# Altium PCB ComplexCurcuit.PcbDoc (part 1 of 2) (continued)
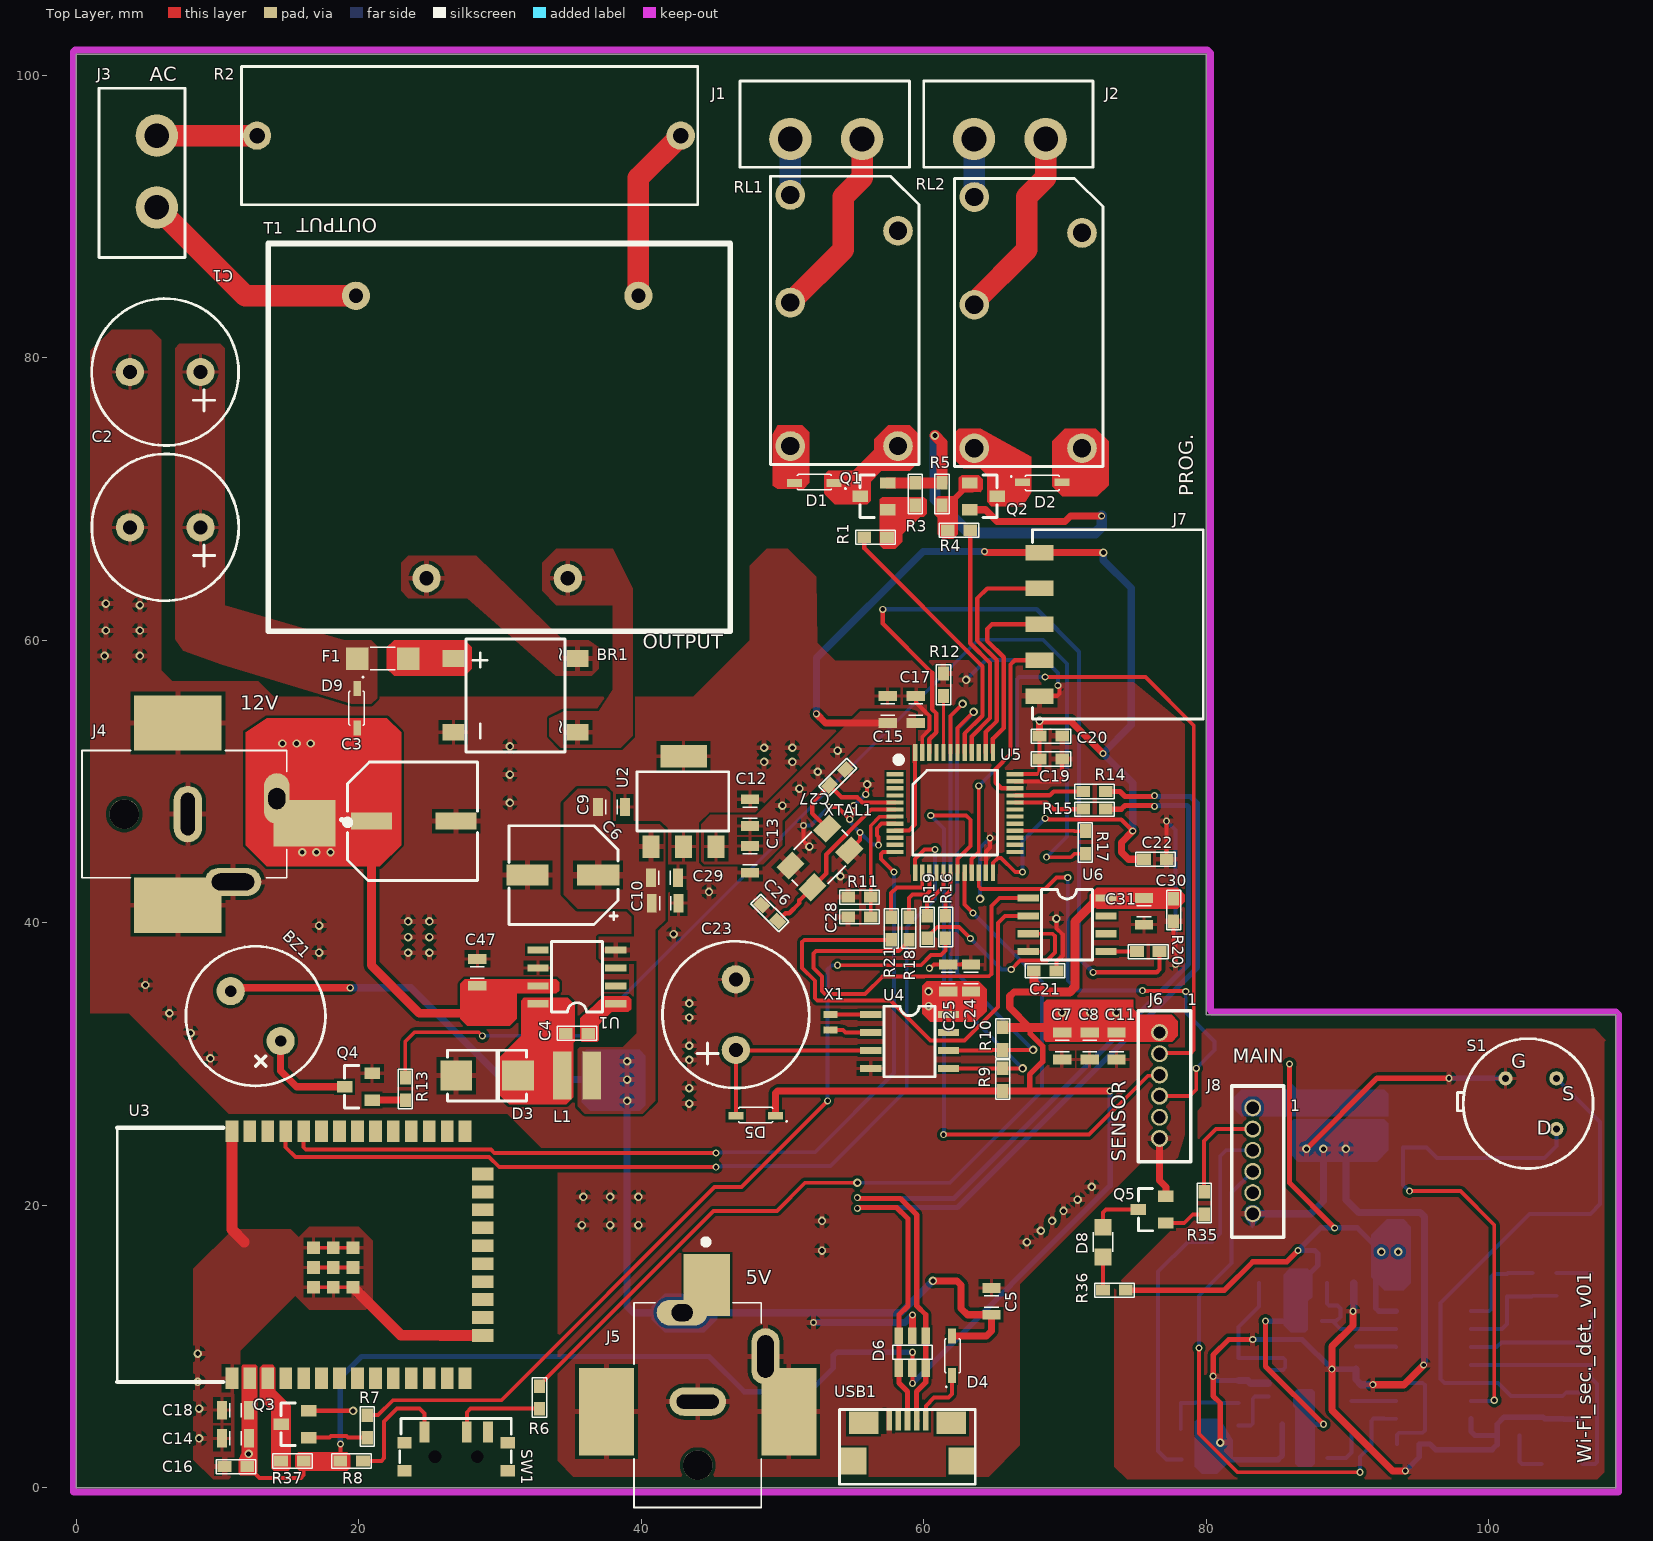
[diagram p0: Top Layer view]
## Part data (continued)
RL1 RL2: "RELAY GEN PURPOSE SPDT 10A 12V", Coil Current="33.3 mA", Manufacturer=Panasonic, Operating Temperature="-40°C ~ 85°C", Supplier Part Number=255-3562-ND, Supplier Part Number 1=769-ALQ112, Voltage Rating(AC)=250V, Case Package=ALQ112, Category="Power Relays", ComponentLink1Description=https://datasheet.ciiva.com/24388/307ds-61b20-en-lq-24388909.pdf?src-supplier=Onlinecomponents.com, ComponentLink1URL=https://datasheet.ciiva.com/24388/307ds-61b20-en-lq-24388909.pdf?src-supplier=Onlinecomponents.com, Depth=10mm, Designed By="Görkem Bulut", Height=16mm, Length=20mm, Manufacturer Part Number=ALQ112, Number of Pins=5, Pricing="1=1,31, 10=1,228, 25=1,092, 50=1,0372, 100=0,9826, 250=0,87344, 500=0,81884, 1000=0,76426, 5000=0,73696 (USD)", RoHS=Yes, Series=ALQ, Stock=1548, Supplier=Digi-Key, Supplier 1=Mouser, Width=10mm
RT1: "Thermistor PTC 10K Ohm 1% 2-Pin 1206 Surface Mount Solder Pad T/R Automotive", Case Code (Imperial)=1206, Manufacturer="Vishay Dale", Max Operating Temperature=125°C, Max Power Dissipation=125mW, Min Operating Temperature=-55°C, Package Quantity=5000, Resistance Tolerance=1%, Supplier Part Number=541-3533-1-ND, Voltage=40V, Case/Package=1206, Category=Thermistors, ComponentLink1Description=https://datasheet.ciiva.com/2852/tfpt-2852076.pdf?src-supplier=Digi-Key, ComponentLink1URL=https://datasheet.ciiva.com/2852/tfpt-2852076.pdf?src-supplier=Digi-Key, Designed By="Görkem BULUT", Height=0.55mm, Lead Free="Lead Free", Length=3.2mm, Manufacturer Part Number=TFPT1206L1002FM, Mounting Technology="Surface Mount", Packaging="Tape and Reel", Power Rating=125mW, Pricing="1=1,3, 10=0,973, 25=0,778, 100=0,7133, 500=0,59978, 1000=0,53495 (USD)", RoHS=Yes, RoHS Compliant=Yes, Series=TFPT, Stock=2429, Supplier=Digi-Key, Termination=SMD/SMT, Tolerance=1%, Width=1.6mm
S1: "SENSOR PYRO DETECTOR DUAL MOTION", Case Package=LHI, Manufacturer="Excelitas Technologies", Max Supply Voltage=12, Min Supply Voltage=3V3, Supplier Part Number=1601-LHI878/3902-ND, Designed By="Görkem Bulut", Manufacturer Part Number="LHI 878/3902", RoHS=No, Supplier=Digikey, Type="Pyro Sensor"
SW1: "Slide Switch, SPDT, 0.025A, 24V, SMD", Manufacturer=E-Switch, Max Operating Temperature=70°C, Min Operating Temperature=-20°C, Operating Force=150gf, Supplier Part Number=EG5720CT-ND, Voltage Rating (DC)=24V, Actuator Length=1.4mm, Actuator Type=Standard, ComponentLink1Description=https://media.digikey.com/pdf/Data%20Sheets/E-Switch%20PDFs/EG1215_Series_Ds.pdf?src-supplier=Digi-Key, ComponentLink1URL=https://media.digikey.com/pdf/Data%20Sheets/E-Switch%20PDFs/EG1215_Series_Ds.pdf?src-supplier=Digi-Key, ComponentLink2Description=http://www.farnell.com/datasheets/2645007.pdf?src-supplier=Farnell, ComponentLink2URL=http://www.farnell.com/datasheets/2645007.pdf?src-supplier=Farnell, Designed By="Görkem Bulut", Electrical Life=10000Cycles, Manufacturer Part Number=EG1215AA, Mechanical Life=10000Cycles, Mounting Technology="Surface Mount", Packaging="Cut Tape", Pricing="1=0,99, 10=0,951, 25=0,8884, 100=0,7715, 250=0,702, 500=0,6508, 1000=0,60327 (USD)", RoHS=Yes, RoHS Compliant=Yes, Series=EG, Stock=8129, Supplier=Digi-Key, Switch Function=On-On, Switch Travel=1.5mm, Termination="Gull Wing", Throw Configuration=SPDT
T1: "Sealed Transformer EI30/10.5", Manufacturer="Zettler Magnetics", Operating Frequency=50-60Hz, Primary Voltage=230V, Rated Power=1VA, Secondary Voltage=12V, Supplier Part Number=3388-BV302S12010-ND, Category=Uncategorized, Designed By="Görkem Bulut", Manufacturer Part Number=BV302S12010, Pricing="1=3,22, 10=2,611, 25=2,1108, 50=1,9776, 100=1,8887, 250=1,83316, 500=1,7776, 1000=1,72205, 5000=1,58318 (USD)", RoHS=No, RoHS Compliant=No, Supplier=Digi-Key
U1: "Buck Switching Regulator IC Positive Fixed 12V 1 Output 1A 8-SOIC (0.154\", 3.90mm Width)", Case Package=8-SOIC, Manufacturer="TI National Semiconductor", Supplier Part Number=296-35410-6-ND, Category="Voltage Regulators - Switching", ComponentLink1Description=https://datasheet.ciiva.com/41457/001013881-da-01-en-ic-reg-buck-lm2675mx-12-nopb-soic-8-tid-41457896.pdf?src-supplier=Conrad, ComponentLink1URL=https://datasheet.ciiva.com/41457/001013881-da-01-en-ic-reg-buck-lm2675mx-12-nopb-soic-8-tid-41457896.pdf?src-supplier=Conrad, ComponentLink2Description=https://datasheet.ciiva.com/3220/lm2675-3220840.pdf?src-supplier=Avnet, ComponentLink2URL=https://datasheet.ciiva.com/3220/lm2675-3220840.pdf?src-supplier=Avnet, Designed By="Görkem Bulut", Manufacturer Part Number=LM2675MX-12/NOPB, Number of Pins=8, Pricing="1=4,85, 10=4,356, 25=4,1184, 100=3,5693, 250=3,38624, 500=3,03846, 1000=2,56256 (USD)", RoHS=Yes, Supplier=Digi-Key
U2: "LDO Regulator Pos 3.3V 1A 4-Pin(3+Tab) SOT-223 T/R", Case Package=SOT223, Manufacturer=Diodes, Supplier Part Number=AP7361C-33E-13DICT-ND, Category="TVS Diodes", ComponentLink1Description=http://www.mouser.com/ds/2/115/AP7361C-775034.pdf?src-supplier=Mouser, ComponentLink1URL=http://www.mouser.com/ds/2/115/AP7361C-775034.pdf?src-supplier=Mouser, ComponentLink2Description=https://datasheet.octopart.com/AP7361C-33E-13-Diodes-Inc.-datasheet-101745716.pdf?src-supplier=Future+Electronics, ComponentLink2URL=https://datasheet.octopart.com/AP7361C-33E-13-Diodes-Inc.-datasheet-101745716.pdf?src-supplier=Future+Electronics, ComponentLink3Description=https://www.diodes.com/assets/Datasheets/AP7361C.pdf?src-supplier=Digi-Key, ComponentLink3URL=https://www.diodes.com/assets/Datasheets/AP7361C.pdf?src-supplier=Digi-Key, ComponentLink4Description=https://datasheet.octopart.com/AP7361C-33E-13-Diodes-Inc.-datasheet-101745716.pdf?src-supplier=Element14, ComponentLink4URL=https://datasheet.octopart.com/AP7361C-33E-13-Diodes-Inc.-datasheet-101745716.pdf?src-supplier=Element14, ComponentLink5Description=https://datasheet.octopart.com/AP7361C-33E-13-Diodes-Inc.-datasheet-158996477.pdf?src-supplier=SHENGYU+ELECTRONICS, ComponentLink5URL=https://datasheet.octopart.com/AP7361C-33E-13-Diodes-Inc.-datasheet-158996477.pdf?src-supplier=SHENGYU+ELECTRONICS, Designed By="Görkem Bulut", Manufacturer Part Number=AP7361C-33E-13, Number of Pins=3, Pricing="1=0,6, 10=0,517, 25=0,4824, 100=0,386, 250=0,35844, 500=0,3033, 1000=0,23437 (USD)", RoHS=Yes, Stock=46517, Supplier=Digi-Key
U3: "Bluetooth, WiFi 802.11b/g/n, Bluetooth v4.2 + EDR, Class 1, 2 and 3 Transceiver Module 2.412GHz ~ 2.484GHz Integrated, Trace Surface Mount", Manufacturer="Espressif Systems", Manufacturer Part Number=ESP32-WROOM-32E(4MB), Supply Voltage Nominal=3V3, Category="RF Receivers, Transceivers", ComponentLink1Description=DataSheet, ComponentLink1URL=https://www.espressif.com/sites/default/files/documentation/esp32-wroom-32e_esp32-wroom-32ue_datasheet_en.pdf, Designed By="Görkem Bulut"
U4: "Real-time Clocks Clock/Calendar I2C, 2-Wire Serial 70uA @ 2V ~ 5.5V SOIC-8_150mil RoHS", Case Package=SOIC, Manufacturer=STMicroelectronics, Supplier Part Number=497-4697-1-ND, Supply Voltage Nominal="2V ~ 5.5V", Category="Real Time Clocks", ComponentLink1Description=https://datasheet.ciiva.com/7630/1837112-7630077.pdf?src-supplier=Element14, ComponentLink1URL=https://datasheet.ciiva.com/7630/1837112-7630077.pdf?src-supplier=Element14, ComponentLink2Description=https://datasheet.ciiva.com/16213/cd00001542-16213654.pdf?src-supplier=Future+Electronics, ComponentLink2URL=https://datasheet.ciiva.com/16213/cd00001542-16213654.pdf?src-supplier=Future+Electronics, ComponentLink3Description=https://datasheet.ciiva.com/41459/001185345-da-01-en-ic-rtc-srl-512kbit-m41t00m6f-soic-8-stm-41459818.pdf?src-supplier=Conrad, ComponentLink3URL=https://datasheet.ciiva.com/41459/001185345-da-01-en-ic-rtc-srl-512kbit-m41t00m6f-soic-8-stm-41459818.pdf?src-supplier=Conrad, Designed By="Görkem Bulut", Manufacturer Part Number=M41T00M6F, Mounting Type="Surface Mount", Number of Pins=8, Pricing="1=3,96, 10=3,556, 25=3,3616, 100=2,9134, 250=2,76404, 500=2,48016, 1000=2,11425 (USD)", RoHS=Yes, Stock=5504, Supplier=Digi-Key, Interface=I2C
U5: "MCU 32-bit STM32F ARM Cortex M3 RISC 32KB Flash 2.5V/3.3V 48-Pin LQFP Tray", Case Package=LQFP48, Manufacturer=STMicroelectronics, Supplier Part Number=497-11515-ND, Supplier Part Number 1=511-STM32F103C6T6A, Category=Microcontrollers, ComponentLink1Description=https://datasheet.ciiva.com/15122/getdatasheetpartid-69879-15122075.pdf?src-supplier=Verical, ComponentLink1URL=https://datasheet.ciiva.com/15122/getdatasheetpartid-69879-15122075.pdf?src-supplier=Verical, ComponentLink2Description=https://datasheet.ciiva.com/14100/pustm-arm-microcont-stm32f103-en-14100507.pdf?src-supplier=Distrelec, ComponentLink2URL=https://datasheet.ciiva.com/14100/pustm-arm-microcont-stm32f103-en-14100507.pdf?src-supplier=Distrelec, Designed By="Görkem BULUT", Manufacturer Part Number=STM32F103C6T6A, Number of Pins=48, Pricing="1=6,31, 10=5,669, 25=5,3592, 80=4,64475, 250=4,40656, 500=3,954, 1000=3,40275 (USD)", RoHS=Yes, Stock=266, Supplier=Digi-Key, Supplier 1=Mouser
U6: "Temp Sensor Digital Serial (3-Wire, SPI) 8-Pin SOIC N Tube", Case Package=SOIC-8, Manufacturer=Maxim, Supplier Part Number=MAX6662MSA+-ND, Category="Temperature and Humidity Sensors", ComponentLink1Description=https://datasheet.ciiva.com/5299/max6662-89142-5299456.pdf?src-supplier=Mouser, ComponentLink1URL=https://datasheet.ciiva.com/5299/max6662-89142-5299456.pdf?src-supplier=Mouser, ComponentLink2Description=https://datasheet.ciiva.com/3277/max6662-3277979.pdf?src-supplier=Avnet, ComponentLink2URL=https://datasheet.ciiva.com/3277/max6662-3277979.pdf?src-supplier=Avnet, ComponentLink3Description=https://datasheet.ciiva.com/2003/max6662-2003390.pdf?src-supplier=Digi-Key, ComponentLink3URL=https://datasheet.ciiva.com/2003/max6662-2003390.pdf?src-supplier=Digi-Key, Designed By="Görkem Bulut", Manufacturer Part Number=MAX6662MSA+, Number of Pins=8, Pricing="1=4,61, 10=3,457, 25=3,0732, 50=2,9196, 100=2,8428, 500=2,38178, 1000=2,22812 (USD)", RoHS=Yes, Stock=593, Supplier=Digi-Key
U7: library part OPA314AIDBVR, "IC OPAMP GP 3MHZ RRO SOT23-5", Case/Package=SOT23-5L, Manufacturer="Texas Instruments", Supplier Part Number=296-36699-1-ND, Category="Amplifiers - Op Amps, Buffer, Instrumentation", ComponentLink1Description=https://datasheet.ciiva.com/29638/opa314-29638827.pdf?src-supplier=Digi-Key, ComponentLink1URL=https://datasheet.ciiva.com/29638/opa314-29638827.pdf?src-supplier=Digi-Key, ComponentLink2Description=https://datasheet.ciiva.com/14462/opa2314-14462006.pdf?src-supplier=Avnet, ComponentLink2URL=https://datasheet.ciiva.com/14462/opa2314-14462006.pdf?src-supplier=Avnet, ComponentLink3Description=https://datasheet.ciiva.com/14456/opa2314-14456281.pdf?src-supplier=Avnet, ComponentLink3URL=https://datasheet.ciiva.com/14456/opa2314-14456281.pdf?src-supplier=Avnet, Designed By="Görkem Bulut", Manufacturer Part Number=OPA314AIDBVR, Number of Pins=5, Pricing="1=1,16, 10=1,034, 25=0,9812, 100=0,8061, 250=0,75352, 500=0,6659, 1000=0,5257 (USD)", RoHS=Yes, Stock=390, Supplier=Digi-Key
U8: "NCS36000 Series Single 5.75V Passive Infrared Detector Controller (PIR) -SOIC-14", Case/Package=SOIC14, Manufacturer="ON Semiconductor", Supplier Part Number=NCS36000DRGOSCT-ND, Category="Amplifiers - Op Amps, Buffer, Instrumentation", ComponentLink1Description=https://datasheet.ciiva.com/1781/ncs36000-d-1781637.pdf?src-supplier=Digi-Key, ComponentLink1URL=https://datasheet.ciiva.com/1781/ncs36000-d-1781637.pdf?src-supplier=Digi-Key, ComponentLink2Description=https://datasheet.ciiva.com/4763/ncs36000-d-89569-4763639.pdf?src-supplier=Mouser, ComponentLink2URL=https://datasheet.ciiva.com/4763/ncs36000-d-89569-4763639.pdf?src-supplier=Mouser, ComponentLink3Description=https://datasheet.ciiva.com/1781/ncs36000-d-1781638.pdf?src-supplier=Digi-Key, ComponentLink3URL=https://datasheet.ciiva.com/1781/ncs36000-d-1781638.pdf?src-supplier=Digi-Key, ComponentLink4Description=https://datasheet.ciiva.com/1781/ncs36000-d-1781639.pdf?src-supplier=Digi-Key, ComponentLink4URL=https://datasheet.ciiva.com/1781/ncs36000-d-1781639.pdf?src-supplier=Digi-Key, ComponentLink5Description=https://datasheet.ciiva.com/2965/ncs36000-d-2965212.pdf?src-supplier=Avnet, ComponentLink5URL=https://datasheet.ciiva.com/2965/ncs36000-d-2965212.pdf?src-supplier=Avnet, ComponentLink6Description=https://datasheet.ciiva.com/2966/ncs36000-d-2966525.pdf?src-supplier=Avnet, ComponentLink6URL=https://datasheet.ciiva.com/2966/ncs36000-d-2966525.pdf?src-supplier=Avnet, Manufacturer Part Number=NCS36000DRG, Number of Pins=14, Pricing="1=1,1, 10=0,983, 25=0,9332, 100=0,7166, 250=0,63328, 500=0,59994, 1000=0,46662 (USD)", RoHS=Yes, Stock=18527, Supplier=Digi-Key
USB1: library part "Micro B USB Connector", "CONN USB MICRO B RECPT SMT R/A", Color=Black, Current Rating=1.8A, Flammability Rating="UL94 V-0", Manufacturer="Amphenol ICC / FCI", Manufacturer Part Number=10118192-0001LF, Max Operating Temperature=85°C, Max Voltage Rating (AC)=100V, Min Operating Temperature=-55°C, Package Quantity=1400, Supplier Part Number=609-4613-1-ND, Insulation Resistance=1GR, Category="USB Connectors", Connector Type=USB,Receptacle, Contact Material="Copper Alloy", Contact Plating=Gold, Depth=5.57mm, Designed By="Görkem BULUT", Features=Shielded, Gender=Receptacle, Housing Material=Polymer, Length=7.86mm, Mounting Technology="Surface Mount,Horizontal", Number of Contacts=5, Number of Ports=1, Orientation="Right Angle", Packaging="Tape and Reel", Pins=5, Pitch=0.65mm, Pricing="1=0,46, 10=0,404, 25=0,3696, 50=0,3478, 100=0,3334, 250=0,30436, 500=0,28988 (USD)", Radiation Hardening=No, Reach SVHC Compliant=No, RoHS=No, Series=-, Stock=111752, Supplier=Digi-Key, Termination=Solder, USB Standard="USB 2.0", Voltage Rating=100V
X1: library part "CRYSTAL OSC 32.768 kHz", "CRYSTAL 32.768kHz ±20ppm Crystal 12.5pF 90 kOhm -40°C ^ 85°C Surface Mount 2-SMD", Case/Package=CSMD, ESR (Equivalent Series Resistance)=90kR, Frequency=32.768kHz, Frequency Tolerance=20ppm, Load Capacitance=12.5pF, Manufacturer=Abracon, Manufacturer Part Number=ABS05-32.768KHZ-T, Max Operating Temperature=85°C, Min Operating Temperature=-40°C, Operating Frequency="32.768 kHz", Package Quantity=3000, Supplier Part Number=535-11899-1-ND, Category=Crystals, ComponentLink1Description=https://datasheet.ciiva.com/23810/abs05-23810480.pdf?src-supplier=Newark, ComponentLink1URL=https://datasheet.ciiva.com/23810/abs05-23810480.pdf?src-supplier=Newark, ComponentLink2Description=https://datasheet.ciiva.com/6728/abs05-6728949.pdf?src-supplier=Digi-Key, ComponentLink2URL=https://datasheet.ciiva.com/6728/abs05-6728949.pdf?src-supplier=Digi-Key, ComponentLink3Description=https://datasheet.ciiva.com/6728/abs05-6728950.pdf?src-supplier=Digi-Key, ComponentLink3URL=https://datasheet.ciiva.com/6728/abs05-6728950.pdf?src-supplier=Digi-Key, ComponentLink4Description=https://datasheet.ciiva.com/16411/abs05-16411149.pdf?src-supplier=Future+Electronics, ComponentLink4URL=https://datasheet.ciiva.com/16411/abs05-16411149.pdf?src-supplier=Future+Electronics, Depth=1mm, ESR=90kR, Height=0.5mm, Lead Free="Lead Free", Length=1.6mm, Mounting Technology="Surface Mount", Packaging="Tape and Reel", Pins=2, Pricing="1=0,72, 10=0,603, 50=0,5426, 100=0,4823, 500=0,4582, 1000=0,38586 (USD)", Radiation Hardening=No, Reach SVHC Compliant=No, RoHS=Yes, RoHS Compliant=Yes, Series=ABS05, Stock=311064, Supplier=Digi-Key, Termination=SMD/SMT, Tolerance=20ppm, Width=1mm
XTAL1: "Crystal 16MHz ±30ppm (Tol) ±50ppm (Stability) 20pF FUND 50Ohm 4-Pin Mini-SMD T/R", Load Capacitance=20pF, Manufacturer="ECS International", Manufacturer Part Number=ECS-160-20-30B-TR, Supplier Part Number=XC1120CT-ND, Category=Crystals, ComponentLink1Description=https://datasheet.ciiva.com/853/ecx-53b-853408.pdf?src-supplier=Digi-Key, ComponentLink1URL=https://datasheet.ciiva.com/853/ecx-53b-853408.pdf?src-supplier=Digi-Key, ComponentLink2Description=https://datasheet.ciiva.com/853/ecx-53b-853407.pdf?src-supplier=Digi-Key, ComponentLink2URL=https://datasheet.ciiva.com/853/ecx-53b-853407.pdf?src-supplier=Digi-Key, ComponentLink3Description=https://datasheet.ciiva.com/853/ecx-53b-853406.pdf?src-supplier=Digi-Key, ComponentLink3URL=https://datasheet.ciiva.com/853/ecx-53b-853406.pdf?src-supplier=Digi-Key, Designed By="Görkem B.", Pricing="1=0,75, 10=0,628, 50=0,5648, 100=0,5021, 500=0,47702 (USD)", RoHS=Yes, Stock=28924, Supplier=Digi-Key

## Via types
v1: diameter 0.6, hole 0.35, Top Layer to Bottom Layer, tented top, 92 vias
v2: diameter 0.5, hole 0.3, Top Layer to Bottom Layer, tented top, 39 vias
v3: diameter 0.5, hole 0.3, POWER to Bottom Layer, tented top, 28 vias
v4: diameter 0.5, hole 0.3, Top Layer to POWER, tented top, 28 vias
v5: diameter 0.5, hole 0.3, Top Layer to Bottom Layer, tented both sides, 1 vias

## Nets (pads, with @x,y where several pads share a name; then routed paths per layer and width w, separated by ;. In a path a pad name is that pad's centre, name@x,y a point inside that pad or via, vN(x,y) a via of type N, cw(c..) or ccw(c..) an arc to the next point about the centre after c; other vN are vias at no path point)
3.3VDC: C7.2 C8.2 C11.2 C12.1 C13.1 C14.2 C15.1 C16.2 C17.2 C18.1 C19.2 C20.2 C21.2 C22.2 C24.2 C25.1 C30.2 C31.1 D5.A D6.5 J6.1 J7.1 R8.2 R9.2 R10.2 R37.1 U2.3 U3.2 U4.8 U5.9 U5.24 U5.36 U5.48 U6.8 | length 226.6
  Top Layer w0.279: C16.2@12.1,1.5 12.189,1.5 12.989,0.7 15.9,0.7 16.1,0.9 R37.1@16.1,1.9 ; R8.2@18.7,1.9 v2(18.7,3.1) ; U5.9@57.978,46.525 58.959,46.525 59.4,46.966 U5.48@59.4,52.05 ; v4(59.2,7.4) D6.5@59.2,8.45 v2(59.2,9.6) ; U5.24@64.9,43.55 64.9,44.257 65.248,44.605 65.479,44.605 66.484,43.6 v4(67,43.6) ; U5.36@66.478,50.525 68.036,50.525 68.2,50.689 C19.2@68.2,51.6 68.2,52.45 C20.2@68.2,53.225
  Top Layer w0.305: v3(68.6,47.4) 68.637,47.363 68.775,47.363 68.825,47.313 73.987,47.313 v4(74.8,46.5)
  Top Layer w0.381: 67.5,28.1 67.5,29.255 68.418,30.173 68.418,31.277 67.533,32.162 67.533,32.567 67.5,32.6
  Top Layer w0.508: D5.A@49.5,26.35 49.5,27.936 49.664,28.1 R9.2@65.6,28.1 67.5,28.1 v3(73.2,28.1) ; v3(52.4,54.8) 53.04,54.16 C15.1@57.45,54.16 ; v2(64.3,66.3) 64.38,66.22 J7.1@68.2,66.22 v1(72.72,66.22) ; 67.5,32.6 66.1,34 66.1,34.802 66.398,35.1 68.5,35.1 ; C20.2@68.2,53.225 v1(68.2,54.3) 70.4,54.3 v4(72.7,52) ; v4(74.8,46.5) 74,45.7 74,45 74.5,44.5 C22.2@75.6,44.5
  Top Layer w0.635: R10.2@65.6,32.6 67.5,32.6 68.75,32.6 v1(69.8,33.65) ; C21.2@67.8,36.6 67.8,35.8 68.5,35.1 70.328,35.1 70.7,35.472 70.7,40.07 72.4,41.77 U6.8@72.9,41.77
  Bottom Layer w0.279: v4(67,43.6) 67,45.8 v3(68.6,47.4)
  Bottom Layer w0.381: v2(18.7,3.1) 18.7,7.8 20.2,9.3 44.8,9.3 47.3,6.8 51.9,6.8 53.6,8.5 53.6,9.4 53.66,9.4 53.86,9.6 v2(59.2,9.6) ; v4(59.2,7.4) 73.2,21.4 v3(73.2,28.1)
  Bottom Layer w0.508: v3(52.4,54.8) 52.4,58.734 59.966,66.3 v2(64.3,66.3) ; v1(72.72,66.22) 72.72,65.68 74.7,63.7 74.7,54 v4(72.7,52) 74.8,49.9 v4(74.8,46.5)
  other v1: 12.2,2.4 71.8,33.65 73.65,33.65 60.35,34.1 60.35,35.15 50,48.3 51.2,49.5 52.5,50.7 53.9,52.2
  other v3: 59.2,7.4 67,43.6 74.8,46.5 72.7,52
  other v4: 73.2,28.1 68.6,47.4 52.4,54.8
3.3VDC_S: C37.2 C42.2 C43.2 C44.2 C45.2 C46.2 J8.1 R29.1 R32.1 R36.2 RT1.2 U7.5 U8.14 | length 59.2
  Top Layer w0.381: R36.2@74.3,14 81.3,14 83.3,16 85.7,16 v2(86.5,16.8) ; v4(84.2,11.8) 84.2,8.6 v3(88.3,4.5) ; v2(85.9,30) 85.9,21.6 v2(89.1,18.4)
  Bottom Layer w0.381: v4(84.2,11.8) R32.1@86.6,11.8 ; v2(85.9,30) 85.9,28.535 86.9,27.535 C46.2@87.2,27.535 ; RT1.2@86.65,14.5 87.9,15.75 87.9,16.577 87.677,16.8 v2(86.5,16.8) 88.1,18.4 v2(89.1,18.4) 90.7,18.4 v1(92.4,16.7) 92,16.3 92,12.733 92.223,12.51 U8.14@93.45,12.51 ; C37.2@87,4.5 v3(88.3,4.5)
  other v1: 93.6,16.7
  other v3: 84.2,11.8
  other v4: 88.3,4.5
5VDC: BZ1.2 C5.2 C6.1 C9.1 C10.1 C29.2 D4.C J5.1 L1.2 U1.4 U2.1 | length 78.4
  Top Layer w0.508: BZ1.2@10.932,35.168 11.164,35.4 v5(19.4,35.4) ; v1(60.65,14.65) 62.352,14.65 62.65,14.352 62.65,12.7 63.1,12.25 C5.2@64.8,12.25 64.8,11.1 64.45,10.75 D4.C@62,10.75
  Bottom Layer w0.508: v5(19.4,35.4) 23.7,35.4 30.2,28.9 v1(39,28.9) ; v1(39,27.4) 39,12.85 39.45,12.4 J5.1@42.9,12.4 58.394,12.4 59.504,13.51 59.51,13.51 v1(60.65,14.65)
  other v1: 39,30.2
12VDC: C3.1 C47.1 D1.C D2.C D9.C J4.1 RL1.5 RL2.4 U1.7 | length 18.9
  Top Layer w0.635: C3.1@20.9,47.2 20.9,37 24.3,33.6 28.2,33.6
  other v1: 16,45 17,45 18,45 14.6,52.7 15.6,52.7 16.6,52.7
AC_LINE_1: J3.1 R2.1 | length 7.1
  Top Layer w1.524: J3.1@5.7,95.74 R2.1@12.8,95.74
AC_LINE_2: J3.2 T1.5 | length 16.7
  Top Layer w1.524: J3.2@5.7,90.66 11.96,84.4 T1.5@19.8,84.4
BUZZER: R13.1 R17.2 | length 79.3
  Top Layer w0.254: R13.1@23.3,29.05 23.3,31.6 23.95,32.25 28.5,32.25 v2(28.75,32) ; v2(68.7,44.65) 70.425,44.65 70.675,44.9 R17.2@71.45,44.9
  Bottom Layer w0.254: v2(28.75,32) 35.955,32 49.91,45.955 49.91,46.095 63.865,60.05 68.45,60.05 70.15,58.35 70.15,46.1 v2(68.7,44.65)
GND: BR1.4 C1.2 C2.2 C3.2 C5.1 C6.2 C7.1 C8.1 C9.2 C10.2 C11.1 C12.2 C13.2 C14.1 C15.2 C16.1 C17.1 C18.2 C19.1 C20.1 C21.1 C22.1 C23.2 C24.1 C25.2 C26.1 C27.1 C28.1 C29.1 C30.1 C31.2 C47.2 D3.A D6.2 J4.2 J4.3 J5.2 J5.3 J6.6 J7.5 Q1.2 Q2.2 Q3.2 Q4.2 Q5.2 R3.1 R5.1 R11.1 R12.1 U1.6 U2.2 U3.1 U3.15 U3.38 U3.39 U4.4 U5.8 U5.23 U5.35 U5.47 U6.4 USB1.5 XTAL1.2 XTAL1.4 | length 144.6
  Top Layer w0.254: U3.39@16.8,14.2 U3.39@18.2,14.2 U3.39@19.6,14.2 ; U3.39@16.8,15.6 U3.39@18.2,15.6 U3.39@19.6,15.6 ; U3.39@16.8,17 U3.39@18.2,17 U3.39@19.6,17
  Top Layer w0.279: v3(51.5,46.9) 51.5,45.8 v1(51.9,45.4) ; v4(53.3,48.2) 53.9,48.2 v3(54.767,47.333) 54.767,47.393 55.049,47.674 v3(55.049,48.31) ; XTAL1.2@54.736,45.13 55.481,45.876 55.481,46.381 v4(55.5,46.4) ; v4(55.9,49.1) 55.9,49.16 56,49.26 v1(56,49.8) ; v3(56.805,45.5) 56.805,46.081 56.7,46.186 56.7,46.7 57.025,47.025 U5.8@57.978,47.025 ; C17.1@59.45,56.06 59.45,55.609 60.418,54.642 60.418,53.678 59.9,53.161 U5.47@59.9,52.05 ; v4(60.4,36.786) 60.46,36.786 60.724,37.05 C25.2@61.75,37.05 62.654,37.05 62.7,37.096 62.7,37.1 ; U5.23@64.4,43.55 64.4,45.04 64.7,45.34 v3(64.7,46) ; U5.35@66.478,50.025 69.636,50.025 69.8,50.189 C19.1@69.8,51.6 ; J7.5@68.2,56.06 69.454,56.06 69.617,56.224 69.617,56.623 69.5,56.74 v3(69.5,56.8) ; C21.1@69.4,36.6 69.4,37.248 69.852,37.7 69.852,39.161 69.4,39.613 v1(69.4,40.3) ; C22.1@77.2,44.5 77.2,45.526 v4(77.2,47.2) ; C30.1@77.7,40.1 77.7,38.6 77.84,38.46 v4(77.84,37.06)
  Top Layer w0.305: Q3.2@16.45,5.45 v1(19.6,5.45)
  Top Layer w0.508: D6.2@59.2,10.75 v4(59.2,12.236) ; Q2.2@63.25,69.25 64.368,69.25 65.207,68.41 70,68.41 70.39,68.8 v4(72.6,68.8) ; J6.6@76.7,24.735 76.7,21.754 77.15,21.304 Q5.2@77.15,20.65
  Top Layer w0.762: U3.38@11.019,25.242 11.019,18.281 11.9,17.4 ; U3.39@19.6,14.2 23,10.8 25.8,10.8 25.812,10.788 U3.15@28.78,10.788 ; Q1.2@57.45,71.15 58.381,71.15 R3.1@59.4,71.15 60.525,71.15 R5.1@61.3,71.15 61.3,74 v1(60.8,74.5)
  Bottom Layer w0.279: v3(51.5,46.9) 51.504,46.904 52.004,46.904 v4(53.3,48.2) ; v3(54.767,47.333) 54.809,47.291 54.809,47.091 v4(55.5,46.4) 56.358,45.542 56.762,45.542 v3(56.805,45.5) ; v3(55.049,48.31) 55.079,48.31 55.869,49.1 v4(55.9,49.1) ; v1(63,57.2) 64.4,58.6 68.6,58.6 69.5,57.7 v3(69.5,56.8) ; v1(64,41.7) 64,45.3 v3(64.7,46) ; v4(77.2,47.2) 77.84,46.56 v4(77.84,37.06)
  Bottom Layer w0.508: v2(52.2,11.7) 58.67,11.7 59.2,12.23 v4(59.2,12.236)
  Bottom Layer w0.762: v1(60.8,74.5) 60.8,70 63.2,67.6 72.154,67.6 72.6,68.046 v4(72.6,68.8)
  other v1: 8.7,3.5 8.7,5.6 8.6,7.5 8.6,9.5 52.8,16.8 67.3,17.4 68.3,18.2 35.8,18.6 37.8,18.6 39.8,18.6 52.8,18.9 69.1,18.9 69.9,19.6 70.9,20.4 35.9,20.6 37.8,20.6 39.8,20.6 71.9,21.3 43.4,27.2 43.4,28.3 43.4,30.3 9.5,30.4 43.4,31.3 8.1,32.2 43.4,33.3 6.6,33.6 43.4,34.3 4.9,35.6 23.5,37.884 25,37.884 17.2,37.9 23.5,38.992 25,38.992 42.3,39.2 17.2,39.8 23.5,40.1 25,40.1 44.8,42.2 54.1,43.3 30.7,48.5 30.7,50.5 48.7,51.4 50.7,51.4 48.7,52.4 50.7,52.4 30.7,52.5 2,58.9 4.5,58.9 2.1,60.7 4.5,60.7 4.5,62.5 2.1,62.6
  other v3: 59.2,12.236 60.4,36.786 77.84,37.06 55.5,46.4 77.2,47.2 53.3,48.2 55.9,49.1 72.6,68.8
  other v4: 56.805,45.5 64.7,46 51.5,46.9 54.767,47.333 55.049,48.31 69.5,56.8
GND_S: C35.1 C37.1 C38.1 C39.1 C40.1 C41.2 C42.1 C43.1 C44.1 C45.1 C46.1 J8.6 R23.1 R24.1 R27.1 R33.1 R34.1 S1.3 U7.2 U8.7 | length 116.4
  Top Layer w0.381: v1(81,3.2) 81,6 80.5,6.5 80.5,9.4 81.6,10.5 v2(83.3,10.5) ; v1(87.1,24) 92.1,29 v2(97.2,29)
  Top Layer w0.508: v3(90.4,12.5) 90.4,11.5 88.9,10 v2(88.9,8.4) 88.9,5.5 93.2,1.2 v2(94.1,1.2) ; v4(91.8,7.3) 94,7.3 v3(95.4,8.7)
  Bottom Layer w0.381: C40.1@80.15,2 85.102,2 85.4,2.298 C37.1@85.4,4.5 ; v2(80.5,7.9) 80.8,7.6 R24.1@82.3,7.6 ; v2(83.3,10.5) 86.8,10.5 v2(88.9,8.4) R34.1@90.6,8.4 ; v2(94.1,1.2) 95.1,2.2 R33.1@95.1,3.1 95.837,3.1 96.237,2.7 100.248,2.7 100.6,3.052 R23.1@100.6,3.7 ; v2(97.2,29) 97.205,28.995 101.195,28.995 S1.3@101.2,28.99 ; U8.7@98.75,4.89 98.75,3.998 99.048,3.7 R23.1@100.6,3.7 ; C38.1@106.5,4.85 105.298,4.85 105.248,4.9 R27.1@104.6,4.9 103.952,4.9 103.852,5 101.1,5 100.6,4.5 R23.1@100.6,3.7
  Bottom Layer w0.508: R24.1@82.3,7.6 82.948,7.6 83.148,7.4 U7.2@84.4,7.4 ; J8.6@83.3,19.4 87.4,19.4 88.3,20.3 v1(88.3,24) ; v1(89.9,24) 89.9,20.4 90.8,19.5 95.152,19.5 95.45,19.202 C43.1@95.45,18.1 C42.1@95.45,15.2 95.45,8.75 v3(95.4,8.7) ; v3(90.4,12.5) 90.45,12.55 C41.2@90.45,14.5 ; R34.1@90.6,8.4 90.6,7.663 90.963,7.3 v4(91.8,7.3)
  other v3: 91.8,7.3
  other v4: 95.4,8.7 90.4,12.5
LED_S: J8.2 R35.1 | length 7.4
  Top Layer w0.279: R35.1@79.861,20.95 79.861,24.561 80.7,25.4 J8.2@83.3,25.4
LIGHT_1_GND: J1.2 RL1.3 | length 4
  Bottom Layer w1.524: RL1.3@50.56,91.54 J1.2@50.56,95.5
LIGHT_1_VCC: J1.1 RL1.2 | length 13.7
  Top Layer w1.524: RL1.2@50.56,83.92 54.3,87.66 54.3,91.407 55.64,92.747 J1.1@55.64,95.5
LIGHT_2_GND: J2.2 RL2.3 | length 4.1
  Bottom Layer w1.524: J2.2@63.56,95.5 63.575,95.485 63.575,91.405 RL2.3@63.59,91.39
LIGHT_2_VCC: J2.1 RL2.2 | length 13.7
  Top Layer w1.524: RL2.2@63.56,83.92 67.3,87.66 67.3,91.407 68.64,92.747 J2.1@68.64,95.5
MCU_N: R14.2 U5.32 | length 5
  Top Layer w0.305: U5.32@66.478,48.525 68.71,48.525 69.185,48.05 R14.2@71.3,48.05
MCU_P: R15.2 U5.33 | length 4.9
  Top Layer w0.305: U5.33@66.478,49.025 68.931,49.025 69.206,49.3 R15.2@71.3,49.3
NetBR1_1: BR1.1 T1.9
NetBR1_2: BR1.2 T1.7
NetBR1_3: BR1.3 F1.1
NetBZ1_1: BZ1.1 Q4.3 | length 7.1
  Top Layer w0.508: BZ1.1@14.468,31.632 14.468,29.532 15.6,28.4 Q4.3@19,28.4
NetC1_1: C1.1 C2.1 D9.A F1.2
NetC4_1: C4.1 U1.1
NetC4_2: C4.2 D3.C L1.1 U1.8
NetC23_1: C23.1 D5.C U4.3 | length 14.2
  Top Layer w0.279: D5.C@46.7,26.35 46.7,27.006 C23.1@46.7,31 46.735,30.965 U4.3@56.25,30.965
NetC26_2: C26.2 U5.6 XTAL1.1 | length 12.5
  Top Layer w0.305: C26.2@49.666,40.134 50.214,40.682 50.482,40.682 51.2,41.4 51.2,41.594 XTAL1.1@52.12,42.514 53.1,43.494 53.1,44.845 56.28,48.025 U5.6@57.978,48.025
NetC27_2: C27.2 U5.5 XTAL1.3 | length 9.2
  Top Layer w0.305: XTAL1.3@53.18,46.686 52.1,47.766 52.1,48.5 C27.2@53.334,49.734 54.178,48.89 55.289,48.89 55.66,48.52 56.14,48.52 56.145,48.525 U5.5@57.978,48.525
NetC32_1: C32.1 R23.2 | length 3.5
  Bottom Layer w0.279: 102.2,3.052 102.2,1.864 102.364,1.7 C32.1@103.75,1.7 ; 102.2,3.052 R23.2@102.2,3.7
NetC32_2: C32.2 C34.1 R22.1 U8.4 | length 16.6
  Bottom Layer w0.279: U8.4@98.75,8.7 99.604,8.7 R22.1@105.7,8.7 C34.1@107.2,8.7 107.2,7.8 107.665,7.335 107.665,1.829 107.536,1.7 C32.2@106.65,1.7
NetC33_1: C33.1 C34.2 R22.2 U8.3 | length 10.6
  Bottom Layer w0.279: U8.3@98.75,9.97 100.57,9.97 100.9,10.3 R22.2@105.7,10.3 C34.2@107.2,10.3 107.2,11.037 107.3,11.137 C33.1@107.3,12.3
NetC33_2: C33.2 R25.1 | length 2.5
  Bottom Layer w0.279: R25.1@104.8,15.2 C33.2@107.3,15.2
NetC35_2: C35.2 S1.1 U8.6 | length 37.1
  Top Layer w0.279: v2(94.4,21) 98,21 100.4,18.6 v2(100.4,6.2)
  Bottom Layer w0.279: v2(94.4,21) 93.95,21.45 C35.2@93.95,24.1 95.6,24.1 96.35,23.35 103.95,23.35 104.797,24.197 S1.1@104.797,25.402 ; U8.6@98.75,6.16 100.36,6.16 v2(100.4,6.2)
NetC36_1: C36.1 R25.2 R26.1 U8.2 | length 8.2
  Bottom Layer w0.279: U8.2@98.75,11.24 100.94,11.24 101.3,11.6 R26.1@101.3,13.538 103.038,13.538 C36.1@103.1,13.6 R25.2@104.8,13.6
NetC36_2: C36.2 R26.2 U8.1 | length 6.8
  Bottom Layer w0.279: U8.1@98.75,12.51 99.604,12.51 99.614,12.5 100.036,12.5 100.2,12.664 100.2,14.975 100.364,15.138 R26.2@101.3,15.138 101.362,15.2 C36.2@103.1,15.2
NetC38_2: C38.2 R27.2 S1.2 U8.5 | length 40.3
  Bottom Layer w0.279: S1.2@104.797,28.994 107.9,25.891 107.9,20.1 107.2,19.4 102.9,19.4 96.6,13.1 96.6,7.7 96.884,7.416 97.116,7.416 97.13,7.43 U8.5@98.75,7.43 100.67,7.43 101.6,6.5 R27.2@104.6,6.5 105.248,6.5 105.497,6.75 C38.2@106.5,6.75
NetC39_2: C39.2 R28.2 R30.2 R31.2 | length 6
  Bottom Layer w0.279: R31.2@78.2,4.15 R30.2@78.2,6 79.207,6 79.257,6.05 C39.2@80.161,6.05 81.065,6.05 81.115,6 R28.2@82.3,6